# Altium PCB MalletteV2_PCB_2L.PcbDoc (continued)
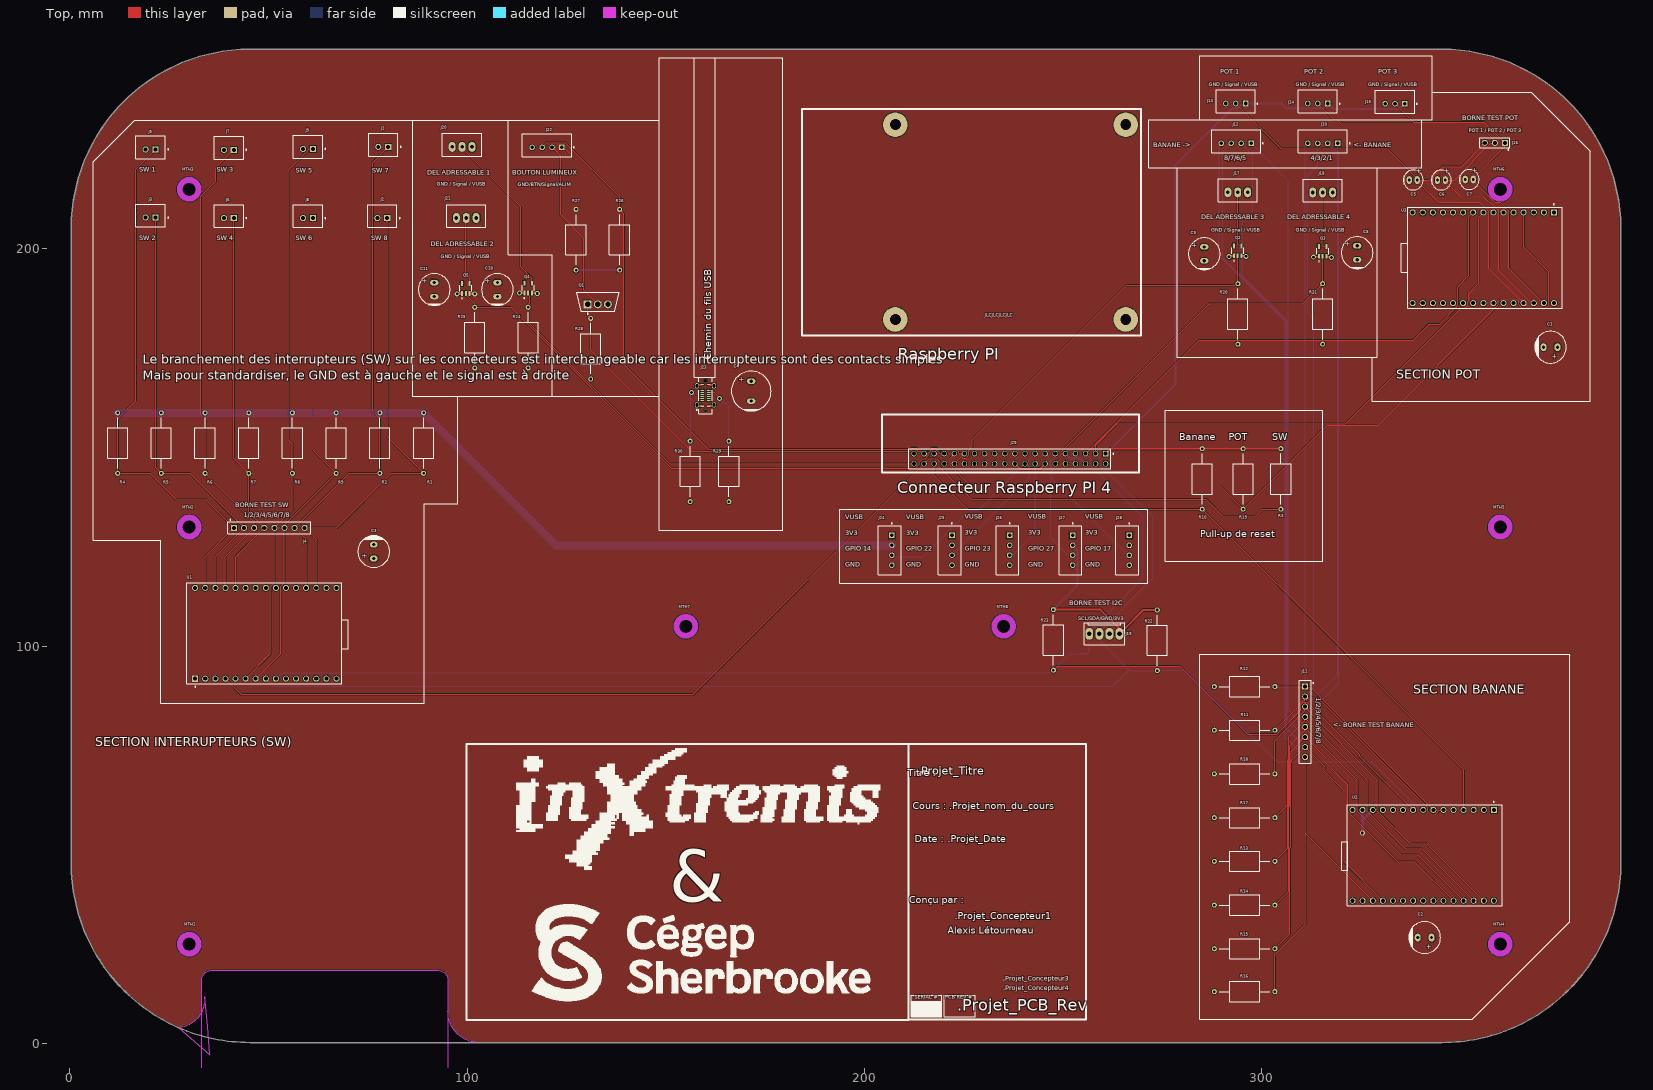
[diagram p0: Top view]
## Part data (continued)
J1 J2 J3 J5 J6 J7 J8 J9: library part CMP-2000-05888-3, "CONN HEADER VERT 2POS 2.5MM", Color=Natural, Contact Resistance=20mR, Current Rating=3A, Housing Color=White, Insulation Resistance=1GR, Max Operating Temperature=85°C, Max Voltage Rating (AC)=250V, Min Operating Temperature=-25°C, Connector Type="Male Pin", Contact Material=Brass, Contact Plating=Tin, Contact Type="Male Pin", Depth=5.75mm, Fastening Type=Detent, Housing Material=Polyamide, Lead Free="Lead Free", Lead Pitch=2.5mm, Length=7.4mm, Max Current Rating=3A, Max Voltage Rating (DC)=250V, Mount="Through Hole", Number of Contacts=2, Number of Positions=2, Number of Rows=1, Orientation=Straight, Packaging=Bulk, Pitch=2.5mm, REACH SVHC="No SVHC", Series=XH, Termination=Solder, Voltage Rating=250V, Voltage Rating (AC)=250V, Wire/Cable Gauge=22AWG
J4 J11: library part CMP-005-000004-1, "CON - Header 1X8 pins, 100Mils - TH-8", Package=TH-8, Assembly Type=TH, Component Type=Standard, Design Item ID=CON_HDR_1X8, Pin Count=8, Polarized=No, Source=CEGEP_SHERBROOKE_TGE_LIBRARY.SchLib
J10 J12 J22 J24 J25 J26 J27 J28: library part CMP-17439-000250-1, "CONN HEADER VERT 4POS 2.5MM", Color=Natural, Contact Resistance=20mR, Current Rating=3A, Flammability Rating="UL94 V-0", Housing Color=White, Insulation Resistance=1GR, Max Operating Temperature=85°C, Max Voltage Rating (AC)=250V, Min Operating Temperature=-25°C, Package Quantity=500, Connector Type=Header, Contact Finish - Mating=TIN, Contact Material=Brass, Contact Plating=Tin, Contact Shape=Square, Contact Type="Male Pin", Depth=5.75mm, Fastening Type=Detent, Gender=Male, Housing Material=Polyamide, Insulation Color=Natural, Insulation Material=Nylon, Lead Free="Lead Free", Lead Pitch=2.5mm, Length=12.4mm, Mated Stacking Heights=9.8mm, Material=Polyamide, Max Current Rating=3A, Max Voltage Rating (DC)=250V, Mount="Through Hole", Number of Contacts=4, Number of Positions=4, Number of Rows=1, Orientation=Straight, Packaging=Bulk, Pitch=2.5mm, REACH SVHC="No SVHC", Series=XH, Termination=Solder, Voltage Rating=250V, Voltage Rating (AC)=250V, Wire/Cable Gauge=22AWG
J13 J14 J15: library part CMP-17439-000014-3, "CONN HEADER VERT 3POS 2.5MM", Color=Natural, Contact Resistance=20mR, Current Rating=3A, Flammability Rating="UL94 V-0", Housing Color=White, Insulation Resistance=1GR, Max Operating Temperature=85°C, Max Voltage Rating (AC)=250V, Min Operating Temperature=-25°C, Connector Type=Header, Contact Finish - Mating=TIN, Contact Material=Brass, Contact Plating=Tin, Contact Shape=Square, Contact Type="Male Pin", Depth=5.75mm, Fastening Type=Detent, Gender=Male, Housing Material=Polyamide, Insulation Color=Natural, Insulation Material=Nylon, Lead Free="Lead Free", Lead Pitch=2.5mm, Length=9.9mm, Max Current Rating=3A, Max Voltage Rating (DC)=250V, Mount="Through Hole", Number of Contacts=3, Number of Positions=3, Number of Rows=1, Orientation=Straight, Packaging=Bulk, Pitch=2.5mm, REACH SVHC="No SVHC", Series=XH, Termination=Solder, Voltage Rating=250V, Voltage Rating (AC)=250V, Wire/Cable Gauge=22AWG
J16: library part CMP-005-000001-1, "CON - Header 1x3 pins-100Mils - TH", Package=TH, Assembly Type=TH, Component Type=Standard, Design Item ID=CON_HDR_1X3, Pin Count=3, Polarized=No, Source=CEGEP_SHERBROOKE_TGE_LIBRARY.SchLib
J17 J18 J20 J21: "CONN HEADER VERT 3POS 2.5MM", Current Rating (Amps)=3A, Insulation Color=Natural, manufacturer="JST Sales America Inc.", Material Flammability Rating="UL94 V-0", Operating Temperature="-25°C ~ 85°C", Supplier Part Number 1=455-2248-ND, Voltage Rating=250V, ComponentLink1Description=Datasheet, ComponentLink1URL=http://www.jst-mfg.com/product/pdf/eng/eXH.pdf, componentlink2description="DigiKey Link", componentlink2url=http://digikey.com/product-detail/en/jst-sales-america-inc/B3B-XH-A-LF-SN/455-2248-ND/1651046, Connector Type=Header, Contact Finish - Mating=Tin, Contact Finish - Post=Tin, Contact Length - Post="0.134\" (3.40mm)", Contact Material=Brass, Contact Shape=Square, Contact Type="Male Pin", Fastening Type="Detent Lock", Insulation Height="0.276\" (7.00mm)", Insulation Material="Polyamide (PA66), Nylon 6/6", lastupdated="2020-01-12 23:46:22", Lifecycle Status=Active, Minimum Order=1, Mounting Type="Through Hole", Number of Positions=3, Number of Positions Loaded=All, Number of Rows=1, Packaging=Bulk, Part Number=B3B-XH-A(LF)(SN), Part Status=Active, partid=68, Pitch - Mating="0.098\" (2.50mm)", Price=0.19, Series=XH, Shrouding="Shrouded - 4 Wall", Style="Board to Cable/Wire", Supplier 1=DigiKey, Termination="Press-Fit, Solder"
J19: "CONN HEADER VERT 4POS 2.54MM", Part Number=0022272041
J23: library part CMP-03329-113696351-1, "USB4120-03-C 16 Position 48 VDC USB Type C Vertical USB 2.0 Receptacle Connector", NexarPartId=113696351, Number of Pins=16, Orientation=Vertical
J29: Package=None, Availability=Unavailable, MP=TSW-120-25-G-D, Price=None
MTH1 MTH2 MTH3 MTH4 MTH5 MTH6 MTH7 MTH8: library part CMP-006-000010-2, "MTH - MOUNTING HOLE M3 NON-PLATED - M3", Package=M3, Assembly Type=NONE, Component Type="Standard (No BOM)", Design Item ID=MTH_M3_NON_PLATED, HelpURL=https://littlemachineshop.com/images/gallery/PDF/TapDrillSizes.pdf, Pin Count=0, Source=CEGEP_SHERBROOKE_TGE_LIBRARY.SchLib
Q1: library part CMP-32901-000276-1, "MOSFET N-CH 100V 9.7A TO-220AB", Case/Package=TO-220, Continuous Drain Current (ID)=9.7A, Drain To Source Breakdown Voltage=100V, Drain To Source Resistance=200mR, Gate to Source Voltage (Vgs)=20V, Input Capacitance=330pF, Max Operating Temperature=175°C, Max Power Dissipation=48W, Min Operating Temperature=-55°C, Threshold Voltage=4V, Contact Plating=Tin, Drain to Source Voltage (Vdss)=100V, Element Configuration=Single, Halogen Free="Halogen Free", Height=0.6inch, Lead Free="Lead Free", Length=0.414inch, Max Dual Supply Voltage=100V, Mount="Through Hole", Number of Pins=3, Packaging=Rail/Tube, Power Dissipation=48W, Rds On Max=200mR, REACH SVHC="No SVHC", Rise Time=23ns, RoHS Compliant=Yes, Turn-Off Delay Time=32ns, Turn-On Delay Time=4.5ns, Width=0.185inch
Q2 Q3 Q4 Q5: library part "74HC1G125GV-Q100H NXP Semiconductors", "Bus Driver, HC/UH Series, 1-Func, 1-Bit, True Output, CMOS, PDSO5", Supply Voltage-Max=6V, Supply Voltage-Min=2V, Supply Voltage-Nominal=5V, ComponentLink1Description="New link", ComponentLink1URL=https://www.snapeda.com/parts/74HC1G125GV-Q100H/Nexperia/view-part/?welcome=home&ref=octopart, Surface Mount=Yes
R1 R2 R3 R4 R5 R6 R7 R8 R9 R10 R11 R12 R13 R14 R15 R16 R17 R18 R19 R20 R21 R22 R23 R24 R25 R26 R27 R28 R29 R30: library part "470 ohm", "Custom Semiconductor Resistor"
U1 U2 U3: "Development Boards & Kits - Wireless (Engineering Samples) ESP32-C3 General-Purpose Development Board, embeds ESP32-C3-WROOM-02, 4 MB Flash, with Pin Header", Package=None, Availability="In Stock", Check_prices=https://www.snapeda.com/parts/ESP32-C3-DevKitC-02/Espressif+Systems/view-part/?ref=eda, ComponentLink1Description="New link", ComponentLink1URL=https://docs.espressif.com/projects/esp-idf/en/v5.2/esp32c3/hw-reference/esp32c3/user-guide-devkitc-02.html, MF="Espressif Systems", MP=ESP32-C3-DevKitC-02, Price=12.94$, Purchase-URL=https://www.digikey.ca/en/products/detail/espressif-systems/ESP32-C3-DEVKITC-02/14553009?gclsrc=aw.ds&&utm_adgroup=&utm_source=google&utm_medium=cpc&utm_campaign=PMax%20Product_Low%20ROAS%20Categories&utm_term=&productid=14553009&utm_content=&utm_id=go_cmp-20291741422_adg-_ad-__dev-c_ext-_prd-14553009_sig-CjwKCAiAh6y9BhBREiwApBLHC_cF2gDRygapSaJLXU2Wdnx3_ghIaBBBCKe6dQeqHq45MeITmry7OBoCG4EQAvD_BwE&gad_source=1&gclid=CjwKCAiAh6y9BhBREiwApBLHC_cF2gDRygapSaJLXU2Wdnx3_ghIaBBBCKe6dQeqHq45MeITmry7OBoCG4EQAvD_BwE, SnapEDA_Link=https://www.snapeda.com/parts/ESP32-C3-DevKitC-02/Espressif+Systems/view-part/?ref=snap

## Free pads (board coordinates)
  round 6.2 hole 2.75: 2(207.728,182.245) 2(207.728,231.267) 2(265.728,182.245) 2(265.728,231.267)

## Via types
v1: diameter 1.27, hole 0.711, Top to Bottom, tented both sides, 11 vias

## Nets (pads, with @x,y where several pads share a name; then routed paths per layer and width w, separated by ;. In a path a pad name is that pad's centre, name@x,y a point inside that pad or via, vN(x,y) a via of type N, cw(c..) or ccw(c..) an arc to the next point about the centre after c; other vN are vias at no path point)
3V3: J13.1 J14.1 J15.1 J19.1 J24.2 J25.2 J26.2 J27.2 J28.2 J29.01 J29.17 R1.2 R2.2 R3.2 R4.2 R5.2 R6.2 R7.2 R8.2 R9.2 R10.2 R19.2 R22.2 R23.1 | length 449.5
  Top w0.5: R23.1 259.319,109.22 J19.1@264.16,104.379 ; J29.01 261.957,149.733 R10.2 R19.2 R3.2 ; J19.1 264.16,103.218 264.853,103.911 264.947,103.911 270.152,109.116 R22.2
  Bottom w0.5: R23.1 253.629,115.326 253.629,124.116 J27.2 ; J29.01 278.291,166.067 278.291,221.141 292.471,235.321 293.94,235.321 294.835,236.216 295.525,236.216 J13.1 304.841,236.601 306.121,235.321 315.291,235.321 J14.1 317.901,235.271 334.722,235.271 J15.1
  Bottom w2: R4.2 R5.2 R6.2 R7.2 R8.2 R9.2 R2.2 R1.2 122.354,125.396 J24.2
GND: C1.2 C2.2 C3.2 C4.2 C5.2 C6.2 C7.2 C8.2 C9.2 C10.2 C11.2 J1.2 J2.2 J3.2 J5.2 J6.2 J7.2 J8.2 J9.2 J13.3 J14.3 J15.3 J17.3 J18.3 J19.2 J20.3 J21.3 J22.4 J23.1 J23.2 J23.3 J23.4 J23.A1 J23.A12 J23.B1 J23.B12 J24.4 J25.4 J26.4 J27.4 J28.4 J29.06 J29.09 J29.14 J29.20 J29.25 J29.30 J29.34 J29.39 Q1.3 Q2.1 Q2.3 Q3.1 Q3.3 Q4.1 Q4.3 Q5.1 Q5.3 R11.1 R12.1 R13.1 R14.1 R15.1 R16.1 R17.1 R18.1 R20.1 R21.1 R24.1 R25.1 R28.1 R29.1 R30.1 U1.1 U1.5 U1.10 U1.15 U1.16 U1.17 U1.20 U1.23 U1.25 U1.30 U2.1 U2.5 U2.10 U2.15 U2.16 U2.17 U2.20 U2.23 U2.25 U2.30 U3.1 U3.5 U3.10 U3.15 U3.16 U3.17 U3.20 U3.23 U3.25 U3.30 | length 31.3
  Top w0.5: U1.15 U1.15@67.155,91.729 ; R25.1@101.876,169.845 R25.1 ; v1(113.157,188.871) Q4.1 Q4.1@114.36,189.209 ; Q4.3@116.26,188.843 117.575,188.843 v1(117.602,188.816) ; J23.1 157.837,160.735 158.087,160.485 J23.A1@158.985,160.485 ; J23.2 158.04,165.775 J23.A12@158.89,165.775 ; J23.B12@160.915,160.485 161.813,160.485 162.063,160.735 J23.3 ; J23.B1@160.915,165.785 161.813,165.785 162.063,165.535 J23.4 ; J29.20 239.097,144.653 244.177,144.653 J29.14 ; v1(291.719,198.047) 291.831,198.159 292.968,198.159 Q2.1 ; Q2.3 294.868,198.209 295.974,198.209 v1(296.037,198.145) ; v1(313.003,197.912) 313.12,198.028 314.351,198.028 Q3.1 ; Q3.3 316.251,198.005 317.361,198.005 v1(317.5,197.866)
  Top w0.75: v1(97.455,188.706) 97.51,188.761 98.609,188.761 Q5.1 ; Q5.3 100.619,188.761 101.821,188.761 v1(101.876,188.706)
  Bottom w0.5: J29.09 251.797,147.193 254.337,147.193 J29.06
NetJ17_2: J17.2 Q2.4 | length 14.2
  Top w0.15: J17.2 293.959,214.208 293.959,201.196 294.393,200.762 Q2.4
NetJ18_2: J18.2 Q3.4 | length 14.5
  Top w0.15: J18.2 315.148,214.055 315.148,200.959 315.472,200.635 Q3.4
NetJ20_2: J20.2 Q4.4 | length 41.6
  Top w0.15: J20.2 98.679,225.318 113.44,210.557 113.44,195.477 116.26,192.657 116.26,191.846 116.26,191.661 Q4.4
NetJ21_2: J21.2 Q5.4 | length 17
  Top w0.15: J21.2 99.558,207.614 99.558,193.594 100.564,192.588 Q5.4
NetJ22_1: J22.1 R27.1 | length 17.4
  Top w0.25: J22.1 124.283,225.094 124.754,225.094 127.367,222.481 R27.1
NetJ22_2: J22.2 Q1.2 | length 44.3
  Top w0.15: J22.2 123.498,223.379 123.498,208.547 129.311,202.733 129.311,189.619 132.842,186.088 Q1.2
NetJ23_A5: J23.A5 R30.2 | length 15.7
  Top w0.127: v1(156.439,163.885) 157.939,162.385 J23.A5
  Bottom w0.152: R30.2 156.261,151.816 156.261,163.707 v1(156.439,163.885)
NetJ23_B5: J23.B5 R29.2 | length 15.4
  Top w0.127: J23.B5 162.107,163.885 163.461,162.53 v1(163.461,162.391)
  Bottom w0.152: v1(163.461,162.391) 164.536,161.317 165.001,161.317 165.862,160.456 R29.2
PIN_CROCO_0: J10.2 J11.3 R18.2 U2.29 | length 236.2
  Top w0.15: R18.2 303.276,76.267 310.799,83.79 310.799,84.68 J11.3 310.896,84.455 329.077,66.274 329.077,58.516 337.302,50.292 341.496,50.292 U2.29
  Bottom w0.15: J11.3 319.081,92.962 319.081,224.058 J10.2
PIN_CROCO_1: J10.1 J11.4 R17.2 U2.28 | length 242.8
  Top w0.15: R17.2 306.469,60.05 306.469,71.365 306.785,71.681 306.785,77.236 310.799,81.25 310.799,82.14 J11.4 310.896,81.915 326.537,66.274 326.537,58.516 336.032,49.022 340.226,49.022 U2.28
  Bottom w0.15: J11.4 319.358,90.699 319.358,224.173 319.151,224.38 319.151,226.488 J10.1
PIN_CROCO_2: J11.5 J12.1 R13.2 U2.27 | length 252.2
  Top w0.15: R13.2 306.508,49.089 306.508,59.697 306.746,59.935 306.746,71.25 307.062,71.566 307.062,74.973 310.799,78.71 310.799,79.6 J11.5 310.896,79.375 323.997,66.274 323.997,58.516 334.976,47.538 339.17,47.538 U2.27
  Bottom w0.15: J12.1 306.671,217.164 306.671,83.922 J11.5
PIN_CROCO_3: J11.6 J12.2 R14.2 U2.26 | length 262.9
  Top w0.15: R14.2 306.785,38.366 306.785,59.582 307.023,59.82 307.023,71.136 307.339,71.451 307.339,73.6 J11.6 315.745,72.308 315.745,71.097 321.657,65.184 321.657,58.316 334.16,45.813 338.355,45.813 U2.26
  Bottom w0.15: J12.2 297.698,223.637 297.698,209.567 295.073,206.942 295.073,193.21 306.394,181.889 306.394,81.659 J11.6
PIN_CROCO_4: J10.3 J11.2 R11.2 U2.6 | length 201.6
  Top w0.15: R11.2 309.452,85.033 309.452,85.375 310.298,86.221 310.64,86.221 310.749,86.33 310.749,87.17 J11.2 311.143,87.07 311.883,87.07 311.958,86.995 314.068,86.995 341.777,59.286 341.777,58.516 342.663,57.631 343.635,57.631 344.697,58.693 345.579,58.693 U2.6
  Bottom w0.15: J11.2 313.003,89.424 313.003,182.301 311.521,183.783 311.521,218.491 314.071,221.041 J10.3
PIN_CROCO_5: J10.4 J11.1 R12.2 U2.7 | length 189.7
  Top w0.15: R12.2 J11.1 311.218,89.535 312.413,89.535 U2.7
  Bottom w0.15: J11.1 310.896,225.893 J10.4
PIN_CROCO_18: J11.8 J12.4 R16.2 U2.18 | length 249.9
  Top w0.15: R16.2 303.276,22.386 310.896,30.006 310.896,52.952 ; J11.8 310.896,52.952 ; U2.18 310.896,52.952
  Bottom w0.15: J12.4 289.767,226.256 289.269,225.758 289.269,198.231 305.84,181.66 305.84,77.133 J11.8
PIN_CROCO_19: J11.7 J12.3 R15.2 U2.19 | length 262.1
  Top w0.15: R15.2 307.062,27.643 307.062,49.251 307.3,49.489 307.3,71.021 J11.7 315.722,69.791 315.722,68.579 320.671,63.63 320.671,45.717 U2.19
  Bottom w0.15: J12.3 290.138,224.439 290.138,197.754 306.117,181.775 306.117,79.396 J11.7
PIN_PI_5: J22.3 J29.29 R26.1 | length 163.9
  Top w0.25: J22.3 119.98,226.707 124.713,226.707 138.317,213.103 R26.1 139.407,208.841 139.407,170.957 160.761,149.603 211.563,149.603 211.84,149.88 213.014,149.88 213.291,149.603 216.643,149.603 216.92,149.88 218.094,149.88 218.371,149.603 223.059,149.603 223.727,148.935 223.727,148.609 223.873,148.463 J29.29
PIN_PI_12: J29.32 Q2.2 R20.2 | length 99.3
  Top w0.15: J29.32 224.294,147.63 224.418,147.63 224.676,147.373 225.578,147.373 226.217,148.012 226.217,148.914 226.062,149.069 226.062,149.193 227.153,150.284 227.153,152.03 265.946,190.823 293.217,190.823 293.656,191.262 R20.2 293.918,191.303 Q2.2
PIN_PI_13: J29.33 Q5.2 R25.2 | length 142.4
  Top w0.15: Q5.2 99.614,188.456 101.876,186.194 R25.2 110.894,185.293 151.354,144.833 212.878,144.833 213.787,145.742 213.787,146.284 214.696,147.193 215.238,147.193 216.057,148.012 216.057,148.554 217.056,149.553 217.958,149.553 219.048,148.463 J29.33
PIN_PI_17: J28.3 J29.11 | length 34.5
  Bottom w0.15: J29.11 247.987,147.464 246.897,146.374 246.897,145.472 247.174,145.195 247.174,142.002 J28.3@266.621,122.555
PIN_PI_18: J29.12 Q3.2 R21.2 | length 93.9
  Top w0.15: J29.12 249.437,147.373 249.437,148.914 286.705,186.182 310.221,186.182 R21.2 Q3.2
PIN_PI_21: J29.40 Q4.2 R24.2 | length 119.5
  Top w0.15: Q4.2 115.31,188.511 115.698,188.124 115.698,186.418 115.31,186.031 R24.2 115.31,181.542 150.929,145.923 J29.40
PIN_PI_22: J25.3 J29.15 | length 34.7
  Bottom w0.15: J25.3@221.621,122.553 241.457,142.389 241.457,147.013 J29.15
PIN_PI_23: J26.3 J29.16 | length 26.2
  Bottom w0.152: J26.3@236.621,122.555 237.091,123.025 237.462,123.025 242.907,128.47 J29.16
PIN_PI_24: J24.3 J29.18 | length 43.4
  Bottom w0.152: J24.3@206.621,122.555 214.649,122.555 226.336,134.242 228.686,134.242 J29.18
PIN_PI_26: J29.37 Q1.1 R28.2 | length 106.9
  Top w0.15: Q1.1 130.34,186.017 130.34,183.223 R28.2 131.064,174.551 156.544,149.071 211.494,149.071 211.699,149.276 211.976,149.553 212.878,149.553 213.155,149.276 213.36,149.071 214.359,149.071 J29.37
PIN_PI_27: J27.3 J29.13 | length 29.3
  Bottom w0.15: J29.13 246.897,147.013 246.897,146.766 246.62,146.489 246.62,145.357 246.897,145.08 246.897,127.279 251.303,122.873 J27.3@252.333,122.873
PIN_POT_0: C7.1 J15.2 J16.1 U3.29 | length 83.6
  Top w0.15: J15.2 338.206,231.847 356.02,231.847 J16.1 361.172,225.708 353.187,217.723 C7.1 353.187,217.143 358.632,211.698 359.966,211.698 362.177,209.487 362.177,195.133 U3.29
PIN_POT_1: C6.1 J14.2 J16.2 U3.28 | length 109.3
  Top w0.15: J14.2 318.079,232.593 318.801,232.593 319.861,231.533 354.318,231.533 358.143,227.708 358.143,227.556 358.632,227.067 J16.2 358.535,226.598 357.645,226.598 348.378,217.33 C6.1 346.17,217.005 349.762,213.413 355.647,213.413 358.687,210.373 358.752,210.373 359.437,209.687 359.437,209.623 359.637,209.423 359.637,194.673 367.703,186.607 368.163,186.607 U3.28
PIN_POT_2: C5.1 J13.2 J16.3 U3.27 | length 123
  Top w0.15: J13.2 304.84,225.171 331.586,225.171 339.102,217.655 C5.1 ; J16.3 350.123,220.726 345.511,220.726 342.115,217.33 C5.1 ; U3.27 357.097,195.133 357.097,209.487 354.886,211.698 344.409,211.698 339.102,217.005 C5.1
PIN_SW_0: J4.1 J5.1 R4.1 U1.29 | length 138.6
  Top w0.15: J5.1 16.532,220.026 16.532,161.811 12,157.279 R4.1 20.085,143.51 26.707,136.888 34.181,136.888 J4.1 34.043,122.562 U1.29
PIN_SW_1: J3.1 J4.2 R5.1 U1.28 | length 110
  Top w0.15: J3.1@21.25,207.599 J3.1 21.55,144.96 R5.1 30.099,143.51 J4.2 36.583,122.562 U1.28
PIN_SW_2: J4.3 J7.1 R6.1 U1.27 | length 122.2
  Top w0.15: U1.27 39.123,122.562 J4.3 46.355,131.155 R6.1 34,157.279 32.96,158.319 32.96,213.29 36.748,217.078 36.748,220.449 J7.1
PIN_SW_3: J4.4 J6.1 R7.1 U1.26 | length 99.3
  Top w0.15: J6.1@41.25,207.751 J6.1 41.235,147.275 R7.1 45,133.689 J4.4 41.663,122.562 U1.26
PIN_SW_4: J4.5 J9.1 R8.1 U1.6 | length 141.8
  Top w0.15: U1.6 50.453,98.071 50.453,114.966 51.435,115.948 J4.5 56,134.359 R8.1 56,150.977 54.96,152.017 54.96,219.771 59.854,224.665 59.854,224.834 60.174,225.154 J9.1
PIN_SW_5: J4.6 J8.1 R9.1 U1.7 | length 126.9
  Top w0.15: U1.7 52.993,98.071 52.993,114.966 53.975,115.948 J4.6 54.238,130.057 54.238,130.748 R9.1 61.174,149.336 J8.1 J8.1@61.25,207.69
PIN_SW_18: J2.1 J4.8 R1.1 U1.18 | length 120
  Top w0.15: U1.18 61.983,126.866 J4.8 67.204,129.794 80.92,143.51 R1.1 79.843,152.667 J2.1
PIN_SW_19: J1.1 J4.7 R2.1 U1.19 | length 128
  Top w0.15: U1.19 59.443,126.866 J4.7 70.231,143.51 R2.1 78,157.279 76.163,159.116 76.163,221.744 J1.1
Reset_Croco: J29.36 R10.1 U2.4 | length 177
  Top w0.15: J29.36 217.507,142.967 225.981,134.493 R10.1 322.555,96.926 322.765,96.926 350.767,68.923 U2.4
Reset_Pot: J29.31 R19.1 U3.4 | length 208.7
  Top w0.15: J29.31 221.497,147.373 221.497,145.472 226.879,140.089 289.679,140.089 R19.1 316.461,155.679 329.258,155.679 359.537,185.958 359.537,186.727 360.322,187.513 363.832,187.513 364.617,186.727 364.617,185.958 365.402,185.173 371.452,185.173 372.137,185.858 372.137,194.219 365.887,200.469 U3.4
Reset_Switch: J29.38 R3.1 U1.4 | length 299.5
  Top w0.15: U1.4 43.06,87.884 156.928,87.884 J29.38 216.271,147.227 218.213,147.227 218.844,146.596 218.844,145.193 227.004,137.033 285.9,137.033 290.318,132.615 298.313,132.615 300.191,134.493 R3.1
SCL: J19.4 J29.05 R23.2 U1.9 U2.9 U3.9 | length 517.1
  Top w0.15: R23.2 248.563,95.02 279.281,95.02 296.484,77.817 303.707,77.817 309.729,83.839 309.729,85.26 310.413,85.944 311.379,85.944 324.591,72.732 324.591,72.277 U2.9 ; J29.05 284.206,177.062 338.063,177.062 342.074,181.074 344.777,181.074 349.223,185.52 349.223,185.804 349.277,185.858 349.277,190.538 352.071,193.332 352.071,208.061 353.187,209.177 U3.9
  Bottom w0.15: U1.9 53.347,93.345 246.888,93.345 R23.2 251.632,98.089 256.077,98.089 256.54,98.552 256.54,103.624 270.002,117.086 270.002,132.527 257.057,145.472 257.057,147.013 J29.05
SDA: J19.3 J29.03 R22.1 U1.8 U2.8 U3.8 | length 512.9
  Top w0.15: J29.03 258.147,150.611 263.492,155.956 321.056,155.956 350.273,185.173 351.132,185.173 351.817,185.858 351.817,186.717 352.017,186.917 352.017,188.798 354.611,191.392 354.611,208.026 355.727,209.142 U3.8
  Bottom w0.15: U1.8 51.188,89.916 262.509,89.916 266.521,93.928 266.573,93.98 ; J29.03 259.597,147.013 259.597,145.472 272.542,132.527 272.542,117.086 259.154,103.698 J19.3@259.154,103.124 ; J19.3 259.154,103.05 259.154,101.399 266.573,93.98 ; U2.8 340.503,58.906 339.617,58.906 327.613,70.91 303.809,70.91 280.739,93.98 273.789,93.98 R22.1 266.677,93.876 266.625,93.928 266.573,93.98
VUSB: C1.1 C2.1 C3.1 C4.1 C8.1 C9.1 C10.1 C11.1 J17.1 J18.1 J20.1 J21.1 J23.A4 J23.A9 J23.B4 J23.B9 J24.1 J25.1 J26.1 J27.1 J28.1 J29.02 J29.04 Q2.5 Q3.5 Q4.5 Q5.5 R26.2 R27.2 U1.13 U1.14 U2.13 U2.14 U3.13 U3.14 | length 20.4
  Bottom w0.5: R27.2 R26.2
  Bottom w0.75: v1(325.264,52.952) 325.264,56.157 325.367,56.261 ; U2.14 325.367,56.261 ; U2.13 325.367,56.261
pads on no net: J23. J23.A6 J23.A7 J23.A8 J23.B6 J23.B7 J23.B8 J29.07 J29.08 J29.10 J29.19 J29.21 J29.22 J29.23 J29.24 J29.26 J29.27 J29.28 J29.35 MTH1.1 MTH2.1 MTH3.1 MTH4.1 MTH5.1 MTH6.1 MTH7.1 MTH8.1 U1.2 U1.3 U1.11 U1.12 U1.21 U1.22 U1.24 U2.2 U2.3 U2.11 U2.12 U2.21 U2.22 U2.24 U3.2 U3.3 U3.6 U3.7 U3.11 U3.12 U3.18 U3.19 U3.21 U3.22 U3.24 U3.26

## Polygon pours and split planes (outlines as drawn)
GND on Bottom "NONET_L-01_P-001" (solid, pour order 5): 0.127,260.604 0.127,-2.286 384.81,-2.286 394.208,7.112 393.827,7.493 393.827,259.334
GND on Bottom "NONET_L-01_P-001" (solid, pour order 2): 249.273,147.209 249.305,147.177 251.667,147.177 251.667,151.591 251.714,151.638 249.301,151.638
3V3 on Bottom "NONET_L-01_P-001" (solid, remove dead copper, pour order 4): 204.343,121.666 265.251,121.666 275.082,121.666 275.082,138.092 261.049,150.611 258.996,150.611 238.941,150.611 238.941,134.725 204.343,134.725
VUSB on Top "NONET_L-01_P-001" (solid, pour order 0): -1.978,249.901 -1.978,0.254 389.944,0.254 389.944,249.301 386.443,252.802

## Silkscreen, mask and mechanical layers (free items; w line width, h text height)
Top Overlay:
  drawing of 131 lines, arcs and shapes, not listed
  text "POT 1" at 289.511,243.545 h2
  text "POT 2" at 310.67,243.545 h2
  text "POT 3" at 329.309,243.545 h2
  text "GND / Signal / VUSB" at 286.645,240.581 h1.5
  text "GND / Signal / VUSB" at 308.554,240.581 h1.5
  text "GND / Signal / VUSB" at 326.822,240.581 h1.5
  text "BORNE TEST POT" at 350.475,231.828 h2
  text "POT 1 / POT 2 / POT 3" at 352.038,229.024 h1.5
  text "BANANE ->" at 272.7,225.13 h2
  text "<- BANANE" at 323.119,225.13 h2
  text "8/7/6/5" at 290.576,221.83 h2
  text "4/3/2/1" at 312.301,221.83 h2
  text "SW 1" at 17.426,218.975 h2
  text "SW 3" at 36.923,218.975 h2
  text "SW 5" at 56.857,218.721 h2
  text "SW 7" at 76.054,218.721 h2
  text "DEL ADRESSABLE 1" at 89.97,218.145 h2
  text "BOUTON LUMINEUX" at 111.366,218.145 h2
  text "GND / Signal / VUSB" at 92.293,215.562 h1.5
  text "GND/BTN/Signal/ALIM" at 112.75,215.435 h1.5
  text "DEL ADRESSABLE 3" at 284.709,206.969 h2
  text "DEL ADRESSABLE 4" at 306.439,206.969 h2
  text "GND / Signal / VUSB" at 287.192,204.005 h1.5
  text "GND / Signal / VUSB" at 308.534,204.005 h1.5
  text "SW 2" at 17.426,201.703 h2
  text "SW 4" at 36.923,201.703 h2
  text "SW 6" at 56.859,201.703 h2
  text "SW 8" at 75.77,201.703 h2
  text "DEL ADRESSABLE 2" at 90.74,200.111 h2
  text "GND / Signal / VUSB" at 93.349,197.274 h1.5
  text "JLCJLCJLCJLC" at 230.274,182.903 h0.8
  text "Chemin du fils USB" at 162.047,172.085 h3 r90
  text "Raspberry PI" at 208.356,171.085 h5
  text "SECTION POT" at 333.858,166.477 h4
  text "Le branchement des interrupteurs (SW) sur les connecteurs est interchangeable car les interrupteurs sont des contacts simples / Mais pour standardiser, le GND est à gauche et le signal est à droite" at 18.269,166.24 h4
  text "Banane" at 279.216,151.262 h3
  text "POT" at 291.681,151.262 h3
  text "SW" at 302.622,151.262 h3
  text "Connecteur Raspberry PI 4" at 208.236,137.557 h5
  text "BORNE TEST SW" at 41.611,134.419 h2
  text "1/2/3/4/5/6/7/8" at 43.68,132.021 h2
  text "Pull-up de reset" at 284.531,126.751 h3
  text "VUSB /  / 3V3 /  / GPIO 23 /  / GND" at 225.188,119.525 h2
  text "VUSB /  / 3V3 /  / GPIO 27 /  / GND" at 241.176,119.525 h2
  text "VUSB /  / 3V3 /  / GPIO 17 /  / GND" at 255.541,119.525 h2
  text "VUSB /  / 3V3 /  / GPIO 14 /  / GND" at 195.161,119.477 h2
  text "VUSB /  / 3V3 /  / GPIO 22 /  / GND" at 210.528,119.477 h2
  text "BORNE TEST I2C" at 251.542,109.781 h2
  text "SCL/SDA/GND/3V3" at 253.789,106.207 h1.5
  text "SECTION BANANE" at 338.074,87.122 h4
  text "1/2/3/4/5/6/7/8" at 313.126,86.995 h2 r270
  text "<- BORNE TEST BANANE" at 317.983,79.144 h2
  text "SECTION INTERRUPTEURS (SW)" at 6.365,73.919 h4
  text ".Projet_Titre" at 213.333,66.87 h3.5
  text "Titre :" at 210.82,66.602 h3
  text "Cours : .Projet_nom_du_cours" at 212.09,58.293 h3
  text "Date :" at 212.598,50.069 h3
  text ".Projet_Date" at 220.98,50.038 h3
  text "&" at 150.876,35.687 h13
  text "Conçu par :" at 211.201,34.671 h3
  text ".Projet_Concepteur1" at 222.631,30.607 h3
  text "Alexis Létourneau" at 220.98,27.051 h3
  text ".Projet_Concepteur3" at 234.95,15.24 h2
  text ".Projet_Concepteur4" at 234.95,12.954 h2
  text "SERIAL #" at 212.598,10.925 h1.52
  text "PCB REV #" at 220.345,10.925 h1.52
  text ".Projet_PCB_Rev" at 223.266,7.239 h5
Board Outline:
  the board outline again, w0.025

## Text inside footprints (layer, text, board x,y; h text height)
C1: Top Overlay "+" at 374.396,174.01 h2 r180
C2: Top Overlay "+" at 342.717,25.42 h2 r180
C3: Top Overlay "+" at 75.204,122.075 h2 r90
C4: Top Overlay "+" at 170.05,166.411 h2 r90
C5: Top Overlay "+" at 338.802,218.58 h2
C6: Top Overlay "+" at 345.87,218.58 h2
C7: Top Overlay "+" at 352.887,218.717 h2
C8: Top Overlay "+" at 322.577,200.485 h2 r90
C9: Top Overlay "+" at 284.096,200.217 h2 r90
C10: Top Overlay "+" at 106.169,191.216 h2 r90
C11: Top Overlay "+" at 90.294,191.216 h2 r90